# KiCad board HPM62_63_144_ADC_EVK_RevB.kicad_pcb (continued)
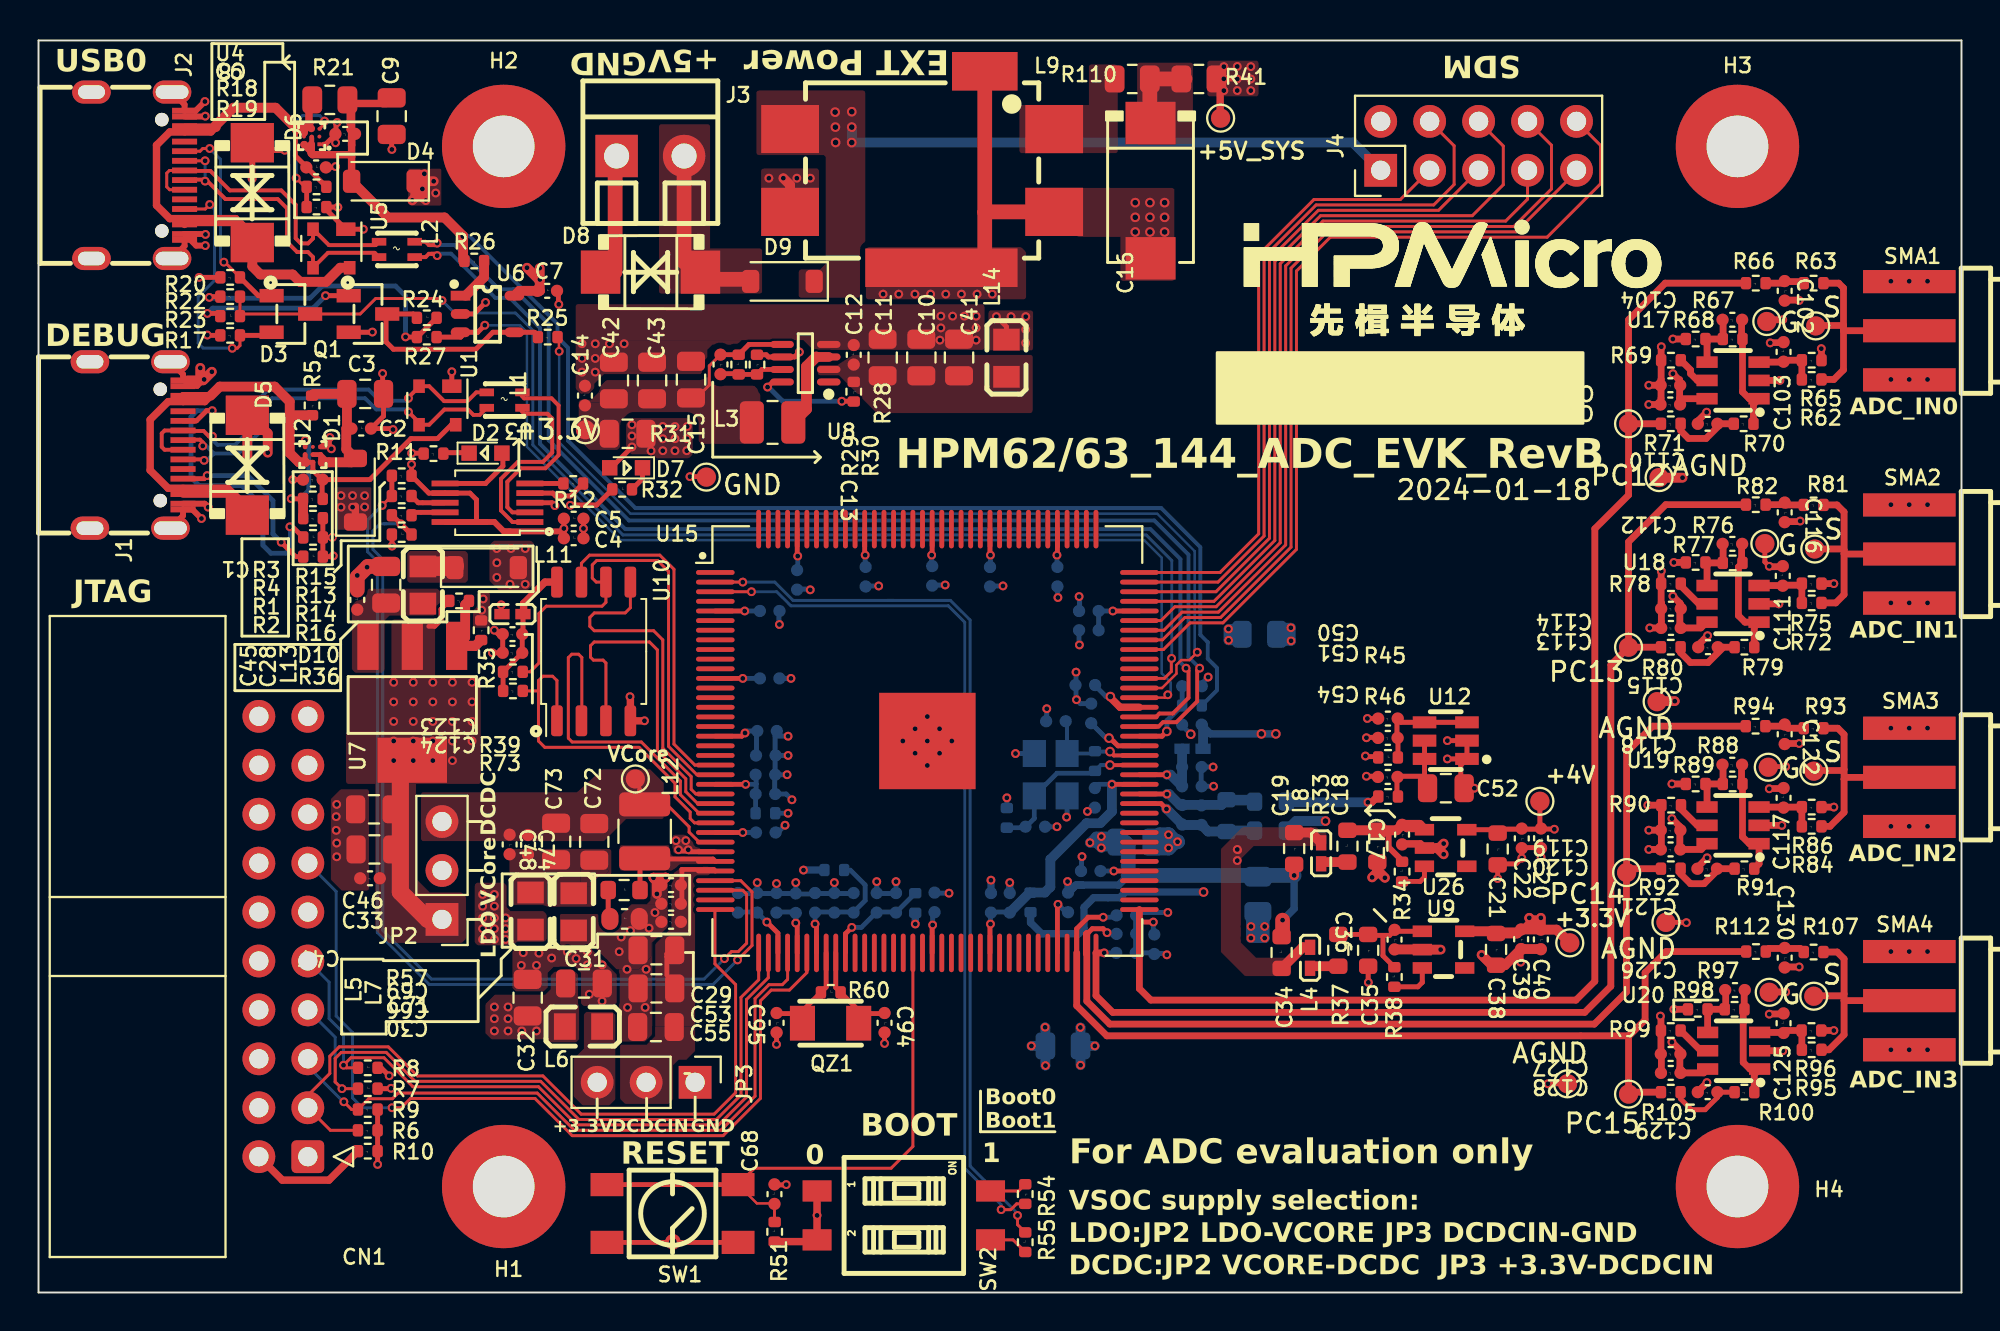
[diagram p0: board, top side]
## Routing (per net, layer and track width the routed paths; a pad name or vN(x,y) marks a point on that pad's centre or on a via; arc(x,y) is an arc through that point) (continued)
VBAT: length 5.5
  Top w0.25: v1(42.19,18.95) 41.86,18.62 U15.46
  Bottom w0.25: v1(42.19,18.95) 42.69,18.95 43.48,19.75 44.48,19.75 ; 44.5,19.75 R50.2
VBUS: length 77.6
  Top w0.254: U4.A2 14.17,59.97
  Top w0.381: 16.17,61.73 16.17,60.37 16.39,60.15 16.24,60 16.24,59.56 ; 16.17,61.73 16.24,61.66 16.24,59.56 ; 16.17,61.73 18.03,61.73 C9.1 ; 14.15,59.14 14.15,59.23 13.79,59.59 13.77,59.59 ; 14.15,59.14 14.22,59.07 16.13,59.07 16.24,58.96 ; 14.15,59.14 14.15,59.61 ; D4.2 16.24,58.96 ; 16.24,58.96 16.24,59.56
  Top w0.508: D4.2 18.12,55.81 21.06,55.81 v2(22.03,54.84) 22.03,53.55
  Bottom w0.203: R83.1 61.14,31.26 61.14,32.42 60.66,32.9 60.66,33.75 60.27,34.14 60.27,38.69 58.24,40.72 30.97,40.72 27.47,44.22 27.47,49.05 26.92,49.59 26.92,50.28 22.36,54.84 v2(22.03,54.84)
VDD_OTPCAP_2V5: length 3.6
  Top w0.25: v1(37.78,19.23) 38.36,18.66 U15.39
  Bottom w0.25: v1(37.78,19.23) 37.28,19.73 37.28,19.75 36.28,19.75
VDD_PMCCAP_1V1: length 3.1
  Top w0.25: v1(39.28,19.18) 39.36,19.11 U15.41
  Bottom w0.25: v1(39.28,19.18) 39.28,19.73 39.27,19.75 38.28,19.75
/ADC_Signal_IN/ADC_IN0: length 73.6
  Top w0.25: 57.11,19.23 v1(57.83,19.23)
  Top w0.349: TP15.1 82.49,41.4 80.74,39.65 80.74,16.16 79.76,15.18 57.71,15.18 57.11,15.78 U15.73 ; R71.2 82.59,45.1 82.49,45 82.49,50.5 84.39,52.4 R66.2
  Bottom w0.25: 57.89,18.56 57.83,18.61 v1(57.83,19.23)
/ADC_Signal_IN/ADC_IN1: length 62.9
  Top w0.349: R80.2 TP19.1 ; TP19.1 82.49,38.97 84.42,40.9 R82.2 ; TP19.1 81.57,32.58 81.57,15.9 80.22,14.54 55.73,14.54 54.86,15.41 U15.72 v1(55.28,17.63)
  Bottom w0.254: 55.93,17.63 v1(55.28,17.63)
/ADC_Signal_IN/ADC_IN2: length 57.6
  Top w0.254: v1(55.43,18.68) 55.23,18.88 54.67,18.88 54.36,18.58 U15.71
  Top w0.349: R94.2 83.74,29.4 82.39,28.05 TP23.1 ; TP23.1 82.59,22 R92.2 ; TP23.1 82.38,21.79 82.38,15.6 80.72,13.93 55.58,13.93 54.38,15.13 54.38,18.63 54.36,18.61 54.36,17.58
  Bottom w0.254: v1(55.43,18.68) 55.5,18.62 55.95,18.62
/ADC_Signal_IN/ADC_IN3: length 49.7
  Top w0.254: v1(55.23,19.48) 54.46,19.48 53.86,18.88 U15.70
  Top w0.349: R112.2 84.44,17.7 83.35,16.61 83.35,14.15 82.49,13.3 ; R105.2 82.59,10.4 TP30.1 82.49,13.3 ; 82.49,13.3 82.46,13.32 55.42,13.32 53.86,14.89 U15.70
  Bottom w0.254: 55.95,19.58 55.86,19.48 v1(55.23,19.48)
/ADC_Signal_IN/IN0: length 11.8
  Top w0.349: R63.1 93.39,52.4 93.64,52.15 93.64,50.2 ; R62.1 93.14,47.4 93.64,47.9 93.64,49.95 ; 95.06,49.93 95.04,49.95 ; 93.64,50.2 93.64,49.95 ; 93.64,50.2 91.99,50.2 ; 93.64,49.95 93.66,49.93 SMA1.5
/ADC_Signal_IN/IN1: length 12
  Top w0.349: R72.1 93.24,35.8 93.67,36.23 93.67,38.35 ; R81.1 93.3,40.89 93.67,40.52 93.67,38.55 ; 93.67,38.55 93.67,38.35 ; 93.67,38.55 93.62,38.6 91.99,38.6 ; 93.67,38.35 93.68,38.34 SMA2.5 ; 95.04,38.34 95.04,38.34
/ADC_Signal_IN/IN2: length 11.8
  Top w0.349: 93.67,26.65 93.76,26.74 SMA3.5 ; 93.67,26.65 93.67,27.15 ; 93.67,26.65 93.67,24.93 92.94,24.2 R84.1 ; 93.67,27.15 93.67,28.97 93.35,29.29 R93.1 ; 93.67,27.15 93.62,27.1 91.99,27.1
/ADC_Signal_IN/IN3: length 11.8
  Top w0.349: 95.05,15.15 95.04,15.14 ; 93.67,15.15 93.67,13.38 92.89,12.6 R95.1 ; 93.67,15.15 SMA4.5 ; 93.67,15.15 93.67,15.5 ; 93.67,15.5 93.57,15.4 91.99,15.4 ; 93.67,15.5 93.67,17.32 93.32,17.67 R107.1
/DEBUG/DN1: length 22.2
  Top w0.2: v1(9.02,44.45) 8.84,44.45 8.56,44.72 8.02,44.72 7.99,44.75 6.54,44.75 6.39,44.6 6.39,43.9 6.54,43.75 7.49,43.75 ; L1.1 22.71,46.73 22.25,46.28 21.04,46.28 20.27,47.05 U1.2 19.74,47.02 19.19,46.47 v1(19.19,46.42)
  Bottom w0.2: v1(9.02,44.45) 9.02,44.27 9.28,44.01 10.19,44.01 11.22,45.04 11.22,46.17 11.93,46.88 17.12,46.88 17.7,46.3 19.06,46.3 v1(19.19,46.42)
/DEBUG/DP1: length 21
  Top w0.2: 7.49,44.25 7.99,44.25 8.02,44.28 8.38,44.28 8.52,44.13 v1(8.52,43.95) ; 7.49,43.25 8.54,43.25 v1(8.59,43.2) ; v1(19.19,45.72) 19.74,45.17 U1.3 20.27,45.05 21.06,45.84 22.28,45.84 22.56,45.56 22.88,45.56 L1.4
  Bottom w0.2: 9.1,43.56 8.7,43.95 v1(8.52,43.95) ; 9.1,43.56 8.74,43.2 v1(8.59,43.2) ; 9.1,43.56 10.37,43.56 11.67,44.86 11.67,45.99 12.11,46.42 16.94,46.42 17.52,45.84 19.06,45.84 v1(19.19,45.72)
/DEBUG/PY0_JTAG_TDO: length 45.4
  Top w0.152: v1(18.34,9.59) 18.81,9.59 19.3,10.07 25.76,10.07 27.69,8.14 35.51,8.14 37.45,10.08 37.45,15.14 38.01,15.7 38.95,15.7 39.86,16.61 U15.42
  Bottom w0.152: CN1.13 15.44,20.82 15.44,14.35 16.29,13.5 16.29,10.1 16.8,9.59 v1(18.34,9.59)
/DEBUG/PY1_JTAG_TDI: length 34.9
  Top w0.152: U15.40 38.86,16.25 38.58,15.98 37.89,15.98 37.17,15.26 37.17,10.19 35.4,8.42 27.8,8.42 25.87,10.35 18.65,10.35 18.36,10.06 17.13,10.06 R9.2 16.24,9.5 v1(15.84,9.9)
  Bottom w0.152: CN1.5 13.97,11.74 15.81,9.9 v1(15.84,9.9)
/DEBUG/PY2_JTAG_TCK: length 38
  Top w0.152: U15.38 37.86,16.34 36.73,15.21 36.73,10.14 35.28,8.7 27.92,8.7 25.94,10.68 19.42,10.68 17.92,12.19 16.21,12.19 v1(15.82,11.8) 15.96,11.66 R8.1
  Bottom w0.152: CN1.9 15.07,16.11 15.07,14.22 15.82,13.47 v1(15.82,11.8)
/DEBUG/PY3_JTAG_TMS: length 38.3
  Top w0.152: U15.37 37.36,16.24 36.44,15.32 36.44,10.25 35.17,8.98 28.03,8.98 26.05,10.96 19.54,10.96 18.04,12.47 15.71,12.47 15.39,12.15 15.39,10.93 v1(15.74,10.58) R7.1
  Bottom w0.152: v1(15.74,10.58) 15.39,10.93 15.39,13.25 CN1.7
/DEBUG/PY4_JTAG_TRST: length 39.4
  Top w0.152: U15.36 35.09,19.86 35.09,17.06 36.16,15.99 36.16,10.37 35.05,9.26 28.15,9.26 26.17,11.24 19.65,11.24 18.15,12.75 15.59,12.75 15.11,12.27 15.11,11.37 13.97,10.23 CN1.3 15.14,8.42 R6.2
/DEBUG/PY6_URT0.TXD: length 50.7
  Top w0.152: U15.34 36.53,20.88 36.73,20.68 36.73,18.13 36.3,17.7 35.95,17.7 v1(35.58,17.33)
  Top w0.254: 18.7,40 v1(18.8,39.91) R16.2 18.35,40.35 R14.2
  Bottom w0.127: 18.04,39.91 v1(18.8,39.91)
  Bottom w0.152: 17.93,39.91 v1(18.8,39.91) ; 17.93,39.91 17.72,39.91 17.35,39.54 17.35,38.57 17.86,38.06 17.86,18.8 20.38,16.27 34.53,16.27 v1(35.58,17.33) ; 17.93,39.91 18.04,39.91
/DEBUG/PY7_URT0.RXD: length 52.1
  Top w0.152: U15.33 36.43,21.38 37.01,20.8 37.01,18.01 v1(36.26,17.26) ; 18.33,41.11 R15.2 ; v1(17.83,40.86) 18.32,41.35 R13.2
  Top w0.254: R15.2 R13.2
  Bottom w0.152: v1(36.26,17.26) 34.99,15.99 20.27,15.99 17.58,18.68 17.58,37.95 17.07,38.46 17.07,40.1 v1(17.83,40.86)
/DEBUG/USB2UART_N: length 10.5
  Top w0.203: U3.2 24.59,40.5 24.32,40.77 24.32,42.09 25.02,42.79 26.3,42.79 26.98,43.47 26.98,46.05 26.61,46.42 25.19,46.42 25.07,46.55
/DEBUG/USB2UART_P: length 10.1
  Top w0.203: 25.07,45.75 25.2,45.62 26.4,45.62 26.65,45.37 26.65,43.61 26.16,43.12 24.87,43.12 23.99,42.24 23.99,40.6 24.59,40 U3.1
/HPM6200-IO2/CA_CS0: length 18.7
  Top w0.152: 25.93,31.23 25.93,31.77 26.16,31.99 26.67,31.99 26.89,31.77 U10.1 ; 25.93,31.23 R73.1 ; 25.93,31.23 25.93,28.63 26.26,28.3 31.16,28.3 33.02,26.44 33.02,25.73 33.81,24.94 33.81,24.6 34.03,24.38 U15.27
/HPM6200-IO2/CA_D0: length 17.9
  Top w0.152: U15.24 34.1,25.88 33.86,26.13 33.86,26.78 32.38,28.26 32.38,33.88 31.91,34.36 28.83,34.36 28.6,34.58 28.6,35.05 28.83,35.28 30.43,35.28 30.7,35.55 U10.5
/HPM6200-IO2/CA_D1: length 18
  Top w0.152: U10.2 28.18,29.7 28.18,32.97 28.02,33.14 27.66,33.14 27.48,32.96 27.48,28.78 27.68,28.58 31.27,28.58 33.3,26.55 33.3,25.85 34.27,24.88 U15.26
/HPM6200-IO2/CA_D2: length 18
  Top w0.152: U15.25 34.2,25.38 33.58,26 33.58,26.67 32.11,28.14 32.11,33.36 31.69,33.77 28.83,33.77 28.63,33.58 28.63,32.98 28.78,32.83 29.28,32.83 29.43,32.68 29.43,29.68 U10.3
/HPM6200-IO2/CA_D3: length 17.9
  Top w0.152: U15.21 34.05,27.38 32.96,28.47 32.96,37.55 32.23,38.28 28.58,38.28 28.16,37.86 U10.7
/HPM6200-IO2/CA_SCLK: length 26.2
  Top w0.152: R39.1 25.5,32.22 25.96,32.68 25.96,35.25 26.34,35.63 29.23,35.63 29.43,35.83 29.43,36.88 U10.6 28.93,36.88 28.73,37.09 28.73,37.77 28.96,38 32.11,38 32.68,37.43 32.68,28.35 34.16,26.88 U15.22
/HPM6200-IO4/PA20: length 46.2
  Top w0.152: v1(49.94,4.3) 50.44,4.3 50.74,4.6 R54.2 ; v1(36.98,36.38) U15.3
  Bottom w0.152: v1(49.94,4.3) 49.94,4.56 48.05,6.45 48.05,34.79 47.19,35.65 39.03,35.65 38.3,36.38 v1(36.98,36.38)
/HPM6200-IO4/PA21: length 47.4
  Top w0.152: R55.2 50.79,3.52 v1(50.79,4) ; U15.2 v1(36.53,36.88)
  Bottom w0.152: v1(50.79,4) 50.79,4.1 48.33,6.56 48.33,34.91 47.31,35.93 44.04,35.93 ; 44.04,35.93 44.34,35.93 44.26,35.93 ; 44.04,35.93 39.15,35.93 38.2,36.88 v1(36.53,36.88)
/HPM6200-IO4/PB22: length 32.2
  Top w0.152: J4.3 70.65,56.74 66.16,56.74 63.3,53.88 63.3,39.39 61.29,37.38 U15.108
/HPM6200-IO4/PB23: length 37.2
  Top w0.152: U15.107 61.19,36.88 63.58,39.27 63.58,53.76 66.28,56.46 72.38,56.46 73.44,57.52 73.44,59.53 J4.4
/HPM6200-IO4/PB24: length 35.2
  Top w0.152: J4.5 72.63,56.18 66.4,56.18 63.86,53.64 63.86,39.16 61.08,36.38 U15.106
/HPM6200-IO4/PB25: length 40.1
  Top w0.152: U15.105 60.98,35.88 64.14,39.04 64.14,53.53 66.51,55.9 74.38,55.9 75.99,57.51 75.99,59.52 J4.6
/HPM6200-IO4/PB26: length 39.2
  Top w0.152: U15.103 58.23,34.88 58.95,35.6 61.1,35.6 64.42,38.92 64.42,53.41 66.63,55.62 76.11,55.62 77.25,56.76 J4.7
/HPM6200-IO4/PB27: length 43.4
  Top w0.152: J4.8 78.49,59.56 78.49,57.29 76.54,55.34 66.75,55.34 64.7,53.3 64.7,38.81 61.21,35.32 59.32,35.32 58.38,34.38 U15.102
/HPM6200-IO4/PB28: length 41.3
  Top w0.152: U15.101 58.31,33.88 59.47,35.04 61.33,35.04 64.98,38.69 64.98,53.18 66.86,55.06 76.66,55.06 79.79,58.19 J4.9
/HPM6200-IO4/PB29: length 46.2
  Top w0.152: U15.100 58.36,33.38 59.74,34.76 61.44,34.76 65.26,38.58 65.26,53.03 67.01,54.78 78.26,54.78 81.04,57.56 81.04,59.55 J4.10
/HPM6200-IO4/USB0_ID: length 66.4
  Top w0.152: R22.1 R23.2 10.56,50.8 16.69,50.8 17.49,51.6 20.83,51.6 v1(20.93,51.5) ; v1(58.78,32.92) 58.77,32.91 58.77,32.24 58.41,31.88 U15.97
  Bottom w0.152: v1(58.78,32.92) 58.79,32.93 58.79,38 57.47,39.33 30.32,39.33 25.64,44 25.64,49.95 24.74,50.85 21.58,50.85 v1(20.93,51.5)
/HPM6200-IO4/USB0_OC: length 55.3
  Top w0.127: U15.95 58.43,30.88 v1(58.58,31.03)
  Top w0.254: v1(23.15,50.22) 22.78,49.85 22.15,49.85 21.9,49.6 R27.2
  Bottom w0.127: v1(23.15,50.22) 23.16,50.21 24.98,50.21 25.34,49.85 25.34,43.9 30.18,39.06 57.35,39.06 58.27,38.14 58.27,32.14 58.73,31.67 58.73,31.18 v1(58.58,31.03)
/HPM6200-IO4/USB0_PWR: length 50.1
  Top w0.127: v1(27.01,48.86) 27,48.87 27,49.6 ; v1(60.12,33.24) 59.71,32.83 59.29,32.83 59.03,32.58 59.03,32.13 58.28,31.38 U15.96
  Bottom w0.127: v1(27.01,48.86) 27.01,44.13 30.71,40.43 58.03,40.43 59.98,38.49 59.98,33.38 v1(60.12,33.24)
/HPM6200-OSC-USB/USB0_DN: length 60.6
  Top w0.2: 20.68,53.8 20.55,53.92 20.4,53.92 ; 20.4,53.92 20.68,53.92 ; 20.4,53.92 20.25,53.92 20.08,53.75 19.52,53.75 ; v1(59.53,32.41) 59.66,32.28 59.66,30.87 58.84,30.06 58.15,30.06 57.97,29.88 U15.93
  Bottom w0.2: v1(59.53,32.41) 59.24,32.7 59.24,38.08 57.68,39.63 30.44,39.63 26.02,44.06 26.02,50.08 24.45,51.64 23.7,51.64 21.4,53.93 20.78,53.93 v1(20.68,53.83)
/HPM6200-OSC-USB/USB0_DP: length 62.1
  Top w0.2: U15.92 58.11,29.38 58.34,29.61 59.03,29.61 60.11,30.69 60.11,32.28 v1(60.24,32.41) ; 20.51,54.38 20.68,54.38 ; 20.51,54.38 20.25,54.38 20.08,54.55 19.52,54.55 ; 20.51,54.38 20.6,54.38 20.68,54.45
  Bottom w0.2: v1(60.24,32.41) 59.66,32.99 59.66,38.31 57.89,40.08 30.63,40.08 26.46,44.24 26.46,50.28 24.65,52.09 23.88,52.09 21.59,54.38 20.78,54.38 v1(20.68,54.48)
/HPM6200-POWER/VANA: length 7.5
  Top w0.254: U15.87 v1(58.53,26.88)
  Bottom w0.25: 59.33,28.28 59.33,27.31 59.36,27.28 59.36,26.28 58.75,26.88 v1(58.53,26.88)
  Bottom w0.508: L10.2 59.33,27.28 C76.1 C77.1 58.73,26.88 v1(58.53,26.88)
/HPM6200-POWER/VCore1: length 5.5
  Top w0.152: U15.29 34.27,23.38 33.75,23.9 33.75,24.18 32.59,25.34 31.45,25.34
  Top w0.25: 31.18,26.13 31.18,25.6 31.45,25.34
/HPM6200-VPMC-VBAT/BUTTON_RESET_N: length 30
  Top w0.127: SW1.3 37.27,4.62 38.18,4.62
  Top w0.152: R51.2 38.18,3.67 38.18,4.62 ; U15.53 45.36,7.58 44.23,6.45 37.14,6.45 SW1.3
  Top w0.25: SW1.4 SW1.3
/Power/DCDC_3.3V: length 6.5
  Top w0.152: C13.1 34.8,48.11 34.8,47.11 34.13,46.44 C15.1
  Top w0.25: R29.2 36.32,48.69 C13.1
  Top w0.254: U8.5 36.86,49.22 R29.2
/Power/SW: length 4.5
  Top w0.508: U8.3 40.34,48.57
  Top w0.559: 40.34,48.57 39.84,48.07 39.84,45.86 L3.2
/USB/DN: length 15.9
  Top w0.152: J2.B7 8.64,58.75 v1(8.64,58.75)
  Top w0.2: 17.66,53.75 17.44,53.98 15.02,53.98 U5.3 14.24,53.75 13.98,54.01 13.42,54.01 12.89,54.54 12.89,56.28 12.41,56.77 9.69,56.77 8.68,57.77 8.1,57.77 8.08,57.75 J2.A7
  Bottom w0.152: v1(8.64,57.7) v1(8.64,58.75)
/USB/DP: length 16.4
  Top w0.152: J2.A6 6.79,58.25 6.65,58.11 6.65,57.4 6.8,57.25 J2.B6
  Top w0.2: 17.66,54.55 17.49,54.38 15.06,54.38 U5.2 14.24,54.72 13.98,54.46 13.61,54.46 13.34,54.73 13.34,56.47 12.59,57.22 9.92,57.22 8.91,58.23 8.1,58.23 8.08,58.25 J2.A6
/USB/VUSB_IN: length 36.2
  Top w0.254: R18.1 13.33,59 13.33,60.37 13.37,60.41
  Top w0.381: 13.75,60.18 13.77,60.2 U4.C3 14.06,60.7 ; J2.A9 7.68,55.55 10.43,55.55 11.09,54.89 10.23,55.75 J2.B4 6.81,55.75 6.12,56.44 6.12,59.56 6.81,60.25 J2.B9 8.94,60.25 9.19,60.5 7.63,60.5 ; 14.35,61.73 14.03,61.41 14.03,60.73 14.06,60.7 ; 14.06,60.7 14.06,60.52 14.15,60.43
  Top w0.508: U5.4 15.65,53.2 14.92,52.47 13.56,52.47 13.18,52.85 11.51,52.85 11.09,53.27 11.09,54.89 ; U4.C3 13.37,60.41 13.37,60.43 12.29,61.51 10.11,61.51 9.19,60.59 9.19,60.5
/VCore: length 12.9
  Top w0.25: R36.2 20.88,35.48 20.88,34.91 20.55,34.58 20.24,34.58
  Top w0.762: 19.55,28.39 19.3,28.15
  Top w0.889: 20.85,19.37 20.19,19.37 18.77,20.79 18.77,27.61 19.55,28.39
  vias: v1(18.42,31.68) v1(18.42,30.66) v1(18.42,29.65) v1(18.42,28.63) v1(18.42,27.61) v1(19.44,31.68) v1(19.44,30.66) v1(19.44,29.65) v1(19.44,28.63) v1(19.44,27.61) v1(20.46,31.68) v1(20.46,30.66) v1(20.46,29.65) v1(20.46,28.63) v1(20.46,27.61) v1(21.47,31.68) v1(21.47,30.66) v1(21.47,29.65) v1(21.47,28.63) v1(21.47,27.61) v1(22.49,31.68) v1(22.49,30.66) v1(22.49,29.65) v1(22.49,28.63)
DCDC_GND0: length 10.9
  Top w0.25: 33.2,22.9 33.22,22.92 33.7,22.92 33.73,22.88 U15.30
  Top w0.254: 26.8,22.44 26.72,22.52 26.59,22.52
  Top w0.508: v1(31.9,21.53) 32.28,21.15 C69.2 32.31,21.32 32.52,21.53 ; v1(31.9,21.53) 31.91,21.53 32.52,21.53 ; v1(31.9,21.53) 32.08,21.35 v1(32.08,20.69) ; 32.52,21.53 32.55,21.53 ; 31.23,14.17 31.24,14.16
  In2.Cu w0.762: v1(31.47,14.8) 33.48,14.8 34.06,14.21 JP3.1
  vias: v1(30.12,17.69) v1(30.23,18.45) v1(30.53,16.78) v1(30.56,14.8) v1(30.71,18.78) v1(31.52,16.78) v1(31.67,18.91) v1(31.98,19.72) v1(32.55,21.56) v1(33.07,23.46) v1(33.2,22.98) v1(33.58,23.46) v1(33.71,22.98)
VCore: length 39.9
  Top w0.25: v1(46.33,38.28) 46.36,38.31 U15.126 ; U15.28 v1(36.53,23.88) ; v1(36.65,29.05) 36.48,28.88 U15.18 ; v1(52.83,38.28) 52.86,38.31 U15.113 ; U15.77 v1(55.78,21.88) ; v1(52.89,20.15) 52.86,20.12 U15.68 ; v1(39.38,38.23) 39.36,38.25 U15.140 ; v1(55.73,35.38) U15.104 ; U15.5 v1(36.63,35.38)
  Top w0.254: v1(46.38,19.08) 46.36,19.06 U15.55 ; U15.90 56,28.38 55.79,28.58 55.79,28.58 55.59,28.78 v2(55.53,28.78)
  In2.Cu w0.381: 52.83,37.18 52.78,37.13
  In2.Cu w0.635: 54.33,21.88 54.33,21.88 v1(55.78,21.88) ; v1(52.89,20.15) 52.9,20.15 52.93,20.18 ; v1(36.53,23.88) 37.78,23.88 37.8,23.89 ; v1(46.33,38.28) 46.33,37.4 ; v2(55.53,28.78) 54.33,28.78 ; 37.82,35.37 37.81,35.38 v1(36.63,35.38) ; v1(46.38,19.08) 46.38,20.41 ; v1(55.73,35.38) 54.56,35.38 ; v1(39.38,38.23) 39.38,37.12 ; v1(52.83,38.28) 52.83,37.18
  In2.Cu w0.762: 36.55,25.29 36.53,25.27 v1(36.53,23.88)
  Bottom w0.25: v1(39.38,38.23) 39.38,37.51 39.35,37.48 ; v1(55.78,21.88) 55.07,21.88 ; 37.25,27.88 37.25,29.11 C81.1 36.75,29.15 v1(36.65,29.05) ; v1(36.53,23.88) 37.25,23.88 ; v1(52.89,20.15) 53.27,19.77 53.41,19.77 ; v1(36.63,35.38) 37.45,35.38 ; v1(46.33,38.28) 46.33,37.71 ; v1(52.83,38.28) 52.83,37.66 ; C80.1 v1(55.73,35.38)
  Bottom w0.254: v1(46.38,19.08) 46.38,19.67 46.48,19.77 ; C83.1 55.38,28.78 v2(55.53,28.78) ; C91.1 C80.1
VREFH: length 4.9
  Top w0.381: v1(68.96,25.45) 69.17,25.45 69.47,25.75
  Bottom w0.508: v1(68.96,25.45) 64.77,25.45 R58.2
Net-(C16-Pad1): length 4.1
  Top w0.762: 59.48,63 R110.2 57.65,60.75 C16.1
Net-(C71-Pad1): length 1.5
  Top w0.254: R57.1 29.55,19.48
  Top w0.508: 29.55,19.48 C71.1
Net-(C101-Pad1): length 15.2
  Top w0.25: v1(49.39,19.13) 49.36,19.11 U15.61 ; U15.86 v1(55.68,26.38)
  Bottom w0.25: 50.39,19.74 50.39,19.75 49.41,19.75 49.39,19.72 v1(49.39,19.13) ; C70.1 54.99,26.38 v1(55.68,26.38)
  Bottom w0.508: C101.1 51.42,20.76 R52.1 52.2,20.76 52.49,21.05 52.49,22.49 54.37,24.37 55.08,24.37 55.68,24.97 v1(55.68,26.38)
Net-(C102-Pad1): length 2
  Top w0.349: R63.2 91.5,52.48 90.59,52.48 90.51,52.4 R66.1
Net-(C110-Pad1): length 3.6
  Top w0.349: R71.1 85.19,44.75 85.6,44.34 86.51,44.34 87.28,45.1 R70.2
Net-(C115-Pad1): length 3.6
  Top w0.349: R80.1 85.19,33.21 85.7,32.7 86.61,32.7 87.41,33.5 R79.2
Net-(C116-Pad1): length 2.1
  Top w0.349: R82.1 90.51,40.9 90.59,40.98 90.68,40.89 R81.2
Net-(C121-Pad1): length 3.6
  Top w0.349: R92.1 85.19,21.73 85.7,21.22 86.41,21.22 87.19,22 R91.2
Net-(C122-Pad1): length 2.1
  Top w0.349: R94.1 90.53,29.4 90.59,29.46 90.76,29.29 R93.2
Net-(C129-Pad1): length 3.9
  Top w0.254: R100.2 C129.1 87.1,10.12 86.46,9.49 85.75,9.49 85.19,10.05 R105.1
Net-(C130-Pad1): length 2.1
  Top w0.349: R107.2 91.39,17.86 89.77,17.86 R112.1
Net-(CN1-Pad2): length 6.3
  Top w0.381: CN1.2 12.65,5.83 15.06,5.83 R10.2
Net-(D1-A): length 8.6
  Top w0.254: U2.A2 15.03,43.1 15.07,43.1 ; U2.A2 U2.A3 ; U2.A2 U2.B2
  Top w0.508: R5.1 14.28,46.65 C3.1 16,44.88 15.96,44.85 15.96,43.78 D1.2 16.24,43.1 14.74,43.1
Net-(D2-A): length 4.1
  Top w0.254: 24.09,43.6 24.09,42.9 23.19,42 U3.6
Net-(D2-K): length 1.1
  Top w0.254: 22.09,43.6 21.05,43.6 R11.1
Net-(D7-K): length 1.3
  Top w0.254: R32.2 31.33,42.24 D7.1
Net-(D9-A): length 9.4
  Top w0.762: J3.2 33.49,53.51 34.4,52.6 36.83,52.6 D9.2
Net-(D10-K): length 1.5
  Top w0.762: 20.09,37.71 20.07,37.73
  Top w1.016: 21.57,37.71 20.09,37.71
Net-(J1-CC1): length 16.2
  Top w0.25: 7.49,45.25 8.19,45.25 8.72,45.78 v1(9.01,45.78) ; v1(13.04,39.75) 13.18,39.75 R1.1
  Bottom w0.25: v1(13.04,39.75) 13.07,39.72 13.07,38.62 12.83,38.38 12.05,38.38 11.64,38.79 11.64,40.8 10.55,41.89 8.33,41.89 7.91,42.31 7.91,45.46 8.23,45.78 v1(9.01,45.78)
Net-(J1-CC2): length 9.1
  Top w0.25: v1(12.59,38.95) 13.34,38.2 R2.1 ; v1(8.75,42.41) 8.59,42.25 7.49,42.25
  Bottom w0.25: v1(8.75,42.41) 10.86,42.41 12.16,41.11 12.16,39.38 v1(12.59,38.95)
Net-(J2-CC1): length 10.8
  Top w0.152: v1(9.61,53.49) 9.66,53.49 R20.1 ; v1(8.88,59.39) 8.52,59.39 8.38,59.25 J2.A5
  Top w0.254: 12.15,51.75 11.4,51.75 R20.1
  Bottom w0.152: v1(8.88,59.39) 9.44,58.83 9.44,53.64 9.59,53.49 v1(9.61,53.49)
Net-(J2-CC2): length 13.7
  Top w0.152: J2.B5 8.65,56.25 v1(8.88,56.48) ; R17.1 10.45,49.16 10.31,49.02 v1(10.05,49.02)
  Top w0.254: R17.1 11.99,49.69 12.15,49.85
  Bottom w0.152: v1(10.05,49.02) 10.04,49.03 8.54,49.03 8.28,49.29 8.28,51.69 9.13,52.54 9.13,56.23 v1(8.88,56.48)
Net-(JP3-C): length 5.2
  Top w0.25: 32.8,17.78 32.59,17.58 32.59,17.43 ; 32.59,16.48 32.59,17.43 ; 32.59,17.43 32.77,17.61 ; U15.32 35.03,21.96 33.38,21.96 33.38,20.23 C66.1
Net-(L4-Pad2): length 1.5
  Top w0.508: L4.2 66.07,16.94 R37.1
Net-(L8-Pad2): length 1.4
  Top w0.508: L8.2 66.63,22.34 R33.1
Net-(L9-CB): length 0.5
  Top w0.762: L9.2 53.23,60.4
Net-(Q1-D): length 11.7
  Top w0.254: R24.1 19.43,50.8 18.03,50.8 18.03,49.35 18.41,48.97 22.69,48.97 23.57,49.85 25.73,49.85 25.98,49.6
Net-(Q1-G): length 8.5
  Top w0.254: R23.1 9.29,50.83 v1(8.76,50.83) ; 16.15,51.75 v1(14.89,51.75)
  Bottom w0.254: v1(14.89,51.75) 14.24,51.1 9.03,51.1 v1(8.76,50.83)
Net-(QZ1-OSC1): length 5.7
  Top w0.25: 43.89,14.48 43.05,14.48 QZ1.1 42.55,14.64 R60.2 41.36,15.83 U15.45
Net-(QZ1-OSC2): length 5.7
  Top w0.25: U15.44 40.86,15.85 R60.1 39.63,14.62 QZ1.2 39.13,14.48 38.29,14.48
Net-(SW2-PIN3): length 2.1
  Top w0.152: SW2.3 50.56,2.73 R55.1
Net-(SW2-PIN4): length 1.9
  Top w0.152: R54.1 50.84,5.27 SW2.4
Net-(U2-OVLO): length 5.8
  Top w0.25: v1(13.11,41.21) 13.12,41.2 R3.2 ; U2.C1 13.83,44.24 v1(13.84,44.25)
  Top w0.508: R3.2 13.72,40.21 R4.2
  Bottom w0.25: v1(13.11,41.21) 13.58,41.21 14.02,41.65 14.02,44.12 13.84,44.3
Net-(U3-RXD): length 1.8
  Top w0.254: U3.9 19.5,40.5 R14.1
Net-(U3-TXD): length 1.9
  Top w0.254: R13.1 19.7,41 U3.8
Net-(U3-~{CTS}): length 1.7
  Top w0.254: U3.5 R12.2
Net-(U3-~{RTS}): length 3.1
  Top w0.254: R12.1 27.6,41.35 26.83,41.35 26.68,41.5 U3.4
Net-(U4-OVLO): length 6.9
  Top w0.152: R18.2 13.82,57.4 v1(13.37,57.85) ; 14.62,60.41 14.62,60.46 14.84,60.68 v1(14.84,60.81)
  Top w0.254: R18.2 R19.2
  Bottom w0.152: v1(14.84,60.81) 14.84,60.85 14.59,61.1 13.69,61.1 13.37,60.78 13.37,57.85 v1(13.37,57.85)
Net-(U6-OUT): length 2.2
  Top w0.508: 22.15,51.75 23.12,52.71 R26.1
Net-(U7-ADJ(GND)): length 4.9
  Top w0.508: U7.1 22.6,33.57 22.61,33.57 ; U7.1 22.66,33.57 R35.2 ; U7.1 22.13,34.01 22.13,35.71 R36.1
Net-(U8-EN): length 5.7
  Top w0.254: U8.8 38.08,47.27 v1(37.82,47) ; 42.36,46.27 v1(41.67,46.27)
  Bottom w0.254: v1(37.82,47) 37.87,47 38.61,46.27 v1(41.67,46.27)
Net-(U8-FB): length 3.3
  Top w0.25: U8.7 37.53,47.92 R30.2 R29.1 36.29,47.7 35.38,47.7
Net-(U9-EN): length 2.3
  Top w0.254: U9.3 71.79,16.1 71.56,15.87 R38.1
Net-(U9-IN): length 6.4
  Top w0.254: 69.79,18.54 69.75,18.5 69.75,17.48 R38.2 ; U9.1 70.4,18.75 70.35,18.8 70.09,18.54 68.98,18.54 68.93,18.59 R37.2
Net-(U10-VCC): length 7.1
  Top w0.25: 25.01,34.1 25.1,34.02 C124.1 24.1,32.22 R39.2 24.1,31.23 R73.2
  Top w0.254: C123.1 25.13,34.21 25.13,35.37
  Top w0.381: 25.16,35.38 25.16,35.77 26.27,36.88 U10.8
Net-(U12-ENABLE): length 5.7
  Top w0.254: 70.53,27.82 70.53,28.77 70.47,28.82 70.48,28.83 70.48,29.8 70.67,29.6 U12.4 U12.3
Net-(U12-OUT_F): length 4.3
  Top w0.254: U12.5 U12.6 71.91,26.8 70.48,26.8 70.48,25.76 70.49,25.75
Net-(U15A-DCDC_LP): length 5.5
  Top w0.25: L12.2 31.48,22.5 34.99,22.5 U15.31
  Top w0.254: R57.2 31.2,22.3
  Top w0.508: 31.2,22.3 L12.2
Net-(U15A-VREFH): length 12.9
  Top w0.25: U15.85 58.54,25.88 v1(58.54,25.88)
  Bottom w0.25: 59.33,25.31 59.33,25.28 60.31,25.28 ; v1(58.54,25.88) 58.57,25.9
  Bottom w0.305: 58.57,25.85 59.11,25.31 59.33,25.31
  Bottom w0.381: 59.79,25.31 61.36,25.31 C86.1 ; 59.79,25.31 C79.1 ; 59.79,25.31 60.36,25.31 ; R58.1 61.73,25.48
  Bottom w0.508: R58.1 62.98,25.58 C86.1 ; 61.73,25.48 C86.1 ; C86.1 61.37,25.31 59.21,25.31 58.65,25.88 v1(58.54,25.88)
Net-(U15A-VREFL): length 11.7
  Top w0.25: U15.84 58.24,25.38 v1(58.52,25.1)
  Bottom w0.25: 58.51,25.11 58.54,25.11 59.33,24.32 60.31,24.32 60.65,23.98
  Bottom w0.254: 60.65,23.98 R61.1
  Bottom w0.508: R61.1 61.68,23.98 C86.2 60.68,23.93 C82.2 59.36,24.27 C79.2 58.51,25.11 58.51,25.11 v1(58.52,25.1)
Net-(U15C-VPMC): length 6.9
  Top w0.25: U15.43 40.36,19.06 v1(40.28,19.13)
  Bottom w0.25: v1(40.28,19.13) 40.28,19.75 42.28,19.75 42.88,20.35 42.88,21.16 42.11,21.93
Net-(U15F-VIO_00): length 4.1
  Top w0.25: U15.23 v1(36.68,26.38)
  Bottom w0.25: 37.23,26.38 37.23,25.88 37.2,25.85 R64.1 ; 37.23,26.38 v1(36.68,26.38) ; 37.23,26.38 37.23,26.88
Net-(U15G-USBVBUS): length 4.2
  Top w0.254: v2(58.53,29.13) 58.28,28.88 U15.91
  Bottom w0.254: C44.1 59.33,30.48 R83.2 58.53,29.68 v2(58.53,29.13)
Net-(U15G-XTALI): length 8.9
  Top w0.203: U15.88 v2(55.58,27.38)
  Bottom w0.203: R59.2 55.11,27.38 v2(55.58,27.38)
  Bottom w0.25: R104.1 51.18,24.13 51.66,24.61 Y1.3 52.83,26.95 54.68,26.95 R59.2
Net-(U15G-XTALO): length 5.6
  Top w0.203: v2(55.58,28.08) 55.78,27.88 U15.89
  Bottom w0.203: C93.1 53.36,29.59 Y1.1 54.69,27.98 R59.1 54.83,28.08 v2(55.58,28.08)
Net-(U17-+IN): length 3.3
  Top w0.349: R62.2 R65.2 90.58,48.4 90.48,48.3 U17.3
Net-(U17--IN): length 3.1
  Top w0.349: U17.4 86.56,49.42 R68.1 R67.2 87.39,49.51 87.39,50.5
Net-(U17-MODE): length 1.9
  Top w0.349: U17.5 86.06,47.35 85.71,47.7 85.71,47.89 R69.1
Net-(U17-OUT): length 6.2
  Top w0.349: R70.1 88.97,46.11 U17.1 88.76,46.4 88.4,46.76 R67.1 88.35,49.55 88.35,50.5
Net-(U18-+IN): length 3.3
  Top w0.349: U18.3 90.47,36.7 90.49,36.72 91.4,36.72 R75.2 R72.2
Net-(U18--IN): length 3.1
  Top w0.349: 87.4,38.86 87.4,37.89 R76.2 86.5,37.88 R77.1 86.56,37.82 U18.4
Net-(U18-MODE): length 1.9
  Top w0.349: R78.1 85.2,36.69 86.14,35.75 U18.5
Net-(U18-OUT): length 6.4
  Top w0.349: 88.36,38.86 88.36,37.92 R76.1 88.19,37.66 88.19,35.14 88.53,34.8 U18.1 89.01,34.55 R79.1
Net-(U19-+IN): length 3.2
  Top w0.349: R84.2 R86.2 U19.3
Net-(U19--IN): length 3.1
  Top w0.349: U19.4 86.56,26.32 R89.1 R88.2 87.39,26.41 87.39,27.4
Net-(U19-MODE): length 1.9
  Top w0.349: R90.1 85.21,25.1 86.06,24.25 U19.5
Net-(U19-OUT): length 6.2
  Top w0.349: 88.35,27.4 88.35,26.45 R88.1 88.4,23.66 88.76,23.3 U19.1 89.26,22.25 R91.1
Net-(U20-+IN): length 3.2
  Top w0.349: U20.3 90.53,13.5 90.63,13.6 R96.2 91.48,13.59 R95.2
Net-(U20--IN): length 3.1
  Top w0.349: 87.53,15.7 87.53,14.75 R97.2 R98.1 U20.4
Net-(U20-MODE): length 1.8
  Top w0.349: R99.1 86.24,12.55 U20.5
Net-(U20-OUT): length 6.1
  Top w0.349: 88.49,15.7 88.49,14.71 R97.1 88.44,14.64 88.44,11.95 88.79,11.6 U20.1 89.01,11.32 R100.1
Net-(U26-EN): length 1.8
  Top w0.254: R34.1 71.68,21.34 71.9,21.56 U26.3
Net-(U26-IN): length 11.1
  Top w0.254: U26.1 70.96,24.03 70.74,24.25 70.43,23.94 69.45,23.94 ; 69.45,23.94 69.4,24 R33.2 ; 69.45,23.94 C18.1 ; 69.45,23.94 69.5,23.99
  Top w0.305: C18.1 70.04,24 70.04,23.12 70.74,22.42 R34.2
  Top w0.508: R33.2 C18.1 70.46,24 C17.1 71.65,24.28 U26.1

## Copper pours and planes (outline as drawn; the poured copper is in the pictures)
5V_SYS on Top: 49.29,48.91 49.29,50.98 51.6,50.98 51.6,48.91
5V_SYS on Top: 60.64,63.95 63.29,63.95 63.29,62.1 60.64,62.1
5V_SYS on Top: 66.81,23.17 66.81,23.92 66.58,24.15 62.46,24.15 61.34,23.03 61.34,17.67 62.59,16.42 64.96,16.42 64.96,17.22 64.81,17.38 63.17,17.38 62.38,18.16 62.38,22.52 63.04,23.17
5V_SYS on In2.Cu: 45.09,46.05 51.89,46.05 51.89,57.35 64.59,57.35 64.59,64.45 45.04,64.45 45.04,46.1
+3.3VADC on In2.Cu: 67.69,29.5 67.69,23.3 68.14,22.85 78.44,22.85 78.44,18.05 78.14,17.75 60.74,17.75 59.89,18.6 59.89,21.28 60.21,21.6 62.61,21.6 62.94,21.92 62.94,29.5
+3V3 on Top: 26.29,15.46 26.57,15.74 26.57,16.45 26.77,16.65 27.84,16.65 28.04,16.45 28.04,13.15 27.89,12.99 26.47,12.99 26.31,13.15 23.49,13.15 23.19,13.45 23.19,14.97 23.67,15.46
+3V3 on Top: 25.45,36.46 25.7,36.72 25.7,38.88 25.55,39.03 23.62,39.03 23.39,38.8 23.39,36.95 23.88,36.46
+3V3 on Top: 30.48,45.09 30.79,45.39 33.73,45.39 33.94,45.19 33.94,43.51 33.73,43.31 30.96,43.31 30.48,43.79
+3V3 on In2.Cu: 38.79,22.8 39.09,23.1 39.09,24.14 38.64,24.59 38.64,25.3 38.79,25.45 39.71,25.45 40.28,24.88 40.28,18.47 39.84,18.03 36.28,18.03 35.45,18.86 35.45,22.52 35.73,22.8
+3V3 on In2.Cu: 18.49,51.4 18.02,50.93 18.02,40.29 17.29,39.56 12.73,39.56 11.94,40.35 11.94,53.25 11.96,53.28 1.35,53.28 1.35,0.6 41.83,0.6 41.83,13.07 43.1,14.34 56.59,14.34 59.23,16.98 59.23,43.38 57.58,45.02 44.3,45.02 43.76,45.56 43.76,51.4
+4V_OPA on In2.Cu: 85.79,49.3 85.79,8.75 77.44,8.75 77.29,8.9 77.29,16 77.34,16.05 78.99,16.05 78.99,23.2 77.29,23.2 77.29,49.3
+4V_OPA on In2.Cu: 77.69,25.08 70.5,25.08 69.95,25.63 69.95,28.26 67.98,28.26 67.98,23.65 68.4,23.21 77.69,23.21
+5V on Top: 15.34,41.8 17.26,41.8 17.26,39.6 15.34,39.6
+5V on Top: 20.9,58.34 20.9,56.48 20.85,56.43 19.29,56.43 19.18,56.54 19.18,58.34
+5V on Top: 42.89,62.4 42.89,51.64 39.44,51.64 39.44,53.11 40.54,53.11 40.84,53.41 40.84,58.95 40.74,59.05 37.24,59.05 37.24,62.4
+5V on In2.Cu: 17.09,51.54 17.87,52.21 43.84,52.21 43.84,63.16 40.1,63.16 40.1,55.45 20.99,55.45 20.95,55.49 20.95,58.51 15.13,58.51 12.84,56.22 12.84,40.31 17.09,40.31
GND on Top: 24.62,18.02 24.82,18.2 26.19,18.2 26.37,18.31 26.37,19.62 26.19,19.8 22.76,19.8 22.63,19.67 22.63,18.18 22.78,18.02
GND on Top: 37.49,58.35 40.49,58.35 40.49,56.45 37.49,56.45
GND on Top: 42.93,51.56 51.23,51.56 51.23,54.01 50.98,54.27 43.03,54.27 42.93,54.19
GND on Top: 22.63,21.17 22.73,21.27 24.13,21.27 24.28,21.12 24.28,19.52 24.23,19.47 22.63,19.47
GND on Top: 17.14,26.13 17.14,20.87 15.72,20.87 15.16,21.43 15.16,25.62 15.67,26.13
GND on Top: 29.44,49.44 39.67,49.44 40.18,48.93 49.07,48.93 49.07,51.31 29.44,51.31
GND on Top: 53.85,57.34 58.93,57.34 58.93,52.52 56.13,52.52 56.13,54.8 53.85,54.8
GND on Top: 27.87,51.31 27.87,46.92 28.17,46.61 28.69,46.61 28.83,46.75 28.83,47.17 29.34,47.68 34.49,47.68 34.7,47.88 34.7,48.95 34.95,49.2 36.43,49.2 36.71,49.48 36.71,51.31
GND on Top: 22.48,35.47 22.73,35.73 22.73,36.26 22.83,36.36 23.34,36.36 23.42,36.29 23.42,34.61 23.32,34.51 22.61,34.51 22.48,34.63
GND on Top: 26.42,16.6 26.72,16.91 27.84,16.91 28.14,16.6 28.14,15 28.27,14.87 29.82,14.87 30,15.05 30,16.51 28.51,18 24.87,18 24.59,17.72 24.59,15.81 24.77,15.64 26.21,15.64 26.42,15.84
GND on In1.Cu: 71.04,64.4 40.84,64.4 40.84,50.65 40.79,50.6 27.9,50.6 27.9,43.75 16.34,43.75 16.34,37.2 0.49,37.2 0.49,0.2 52.63,0.2 52.63,20.33 54.23,21.89 57.21,21.89 57.21,28.22 61.91,32.89 61.94,55.37 71.04,55.37
GND on In1.Cu: 0.39,37.6 15.94,37.6 15.94,44.15 27.55,44.15 27.55,50.95 40.49,50.95 40.49,64.4 0.44,64.4 0.44,37.55
GNDA on In1.Cu: 63.07,32.66 63.07,53.63 99.77,53.63 99.77,0.32 53.59,0.32 53.59,20.02 54.7,21.13 58.26,21.13 58.26,27.85
/HPM6200-POWER/VCore1 on Top: 19.58,25.97 27.94,25.97 29.25,27.17 31.72,27.17 32.44,26.46 32.44,24.58 30.48,24.58 29.34,23.43 19.58,23.43
/Power/DCDC_3.3V on Top: 30.25,45.11 30.69,45.55 33.9,45.55 34.13,45.31 34.13,44.31 34.39,44.05 37.31,44.05 37.44,44.18 37.44,46.76 37.14,47.07 35.21,47.07 34.76,47.52 29.31,47.52 28.9,47.12 28.9,46.35 28.11,46.35 28.02,46.26 28.02,44.3 28.58,43.74 30.25,43.74
/VCore on Top: 17.48,18.84 18.16,18.15 21.97,18.15 22.17,18.35 22.17,20.54 21.95,20.77 20.29,20.77 19.58,21.48 19.58,26.94 19.23,27.29 17.88,27.29 17.48,26.89
/VCore on Top: 18.31,34.94 20.57,34.94 20.57,31.94 22.94,31.94 22.94,26.4 15.95,26.41 15.95,31.94 18.31,31.94
/VCore on Bottom: 18.17,26.6 26.3,26.6 26.3,35.23 18.17,35.23
DCDC_GND0 on Top: 27.05,18.04 28.73,18.04 29.98,16.78 31.14,16.78 31.79,17.43 31.79,18.13 32.64,18.98 32.64,19.87 32.36,20.16 30.76,20.16 30.25,19.65 27.05,19.65
DCDC_GND0 on Top: 28.12,21.1 28.12,22.62 28.85,22.62 29.59,21.88 28.8,21.1
DCDC_GND0 on Top: 31.74,21.63 32.64,21.63 32.64,18.98 31.84,18.18 31.84,13.4 31.47,13.02 30.1,13.02 30.1,18.69 31.74,20.35
DCDC_GND0 on Top: 34.38,23.03 34.34,23.03 33.6,23.76 32.88,23.76 32.88,22.76 34.38,22.76
DCDC_GND0 on Top: 24.43,23.03 29.72,23.03 29.72,21.66 28.78,21.66 28.78,20.03 24.43,20.03
DCDC_GND0 on In1.Cu: 33.73,26.18 34.06,25.85 34.06,14.77 33.63,14.34 30.35,14.34 29.72,14.97 29.72,25.74 30.15,26.18
VCore on In2.Cu: 37.38,37.73 54.98,37.73 54.98,19.88 37.38,19.88
VCore on In2.Cu: 35.09,29.43 37.95,32.28 37.95,29.45 37.92,29.43
VCore on In2.Cu: 24.18,20.72 28.17,24.7 40.69,24.7 40.69,29.78 25.6,29.78 19.96,24.14 19.96,21.22 20.47,20.72
VCore on In2.Cu: 37.8,25.06 37.97,24.88 37.97,23.89 37.82,23.74 36.47,23.74 36.4,23.81 36.4,24.96 36.5,25.06
Net-(C16-Pad1) on Top: 56.99,59.6 59.89,59.6 59.89,63.85 56.99,63.85
Net-(D9-A) on Top: 32.19,60.65 32.19,51.86 37.54,51.86 37.54,54.2 34.84,54.2 34.84,60.65
Net-(D10-K) on Top: 22.15,38.5 22.28,38.37 22.28,36.97 22.15,36.84 19.23,36.84 19.13,36.95 19.13,38.37 19.25,38.5
Net-(JP3-B) on Top: 28.3,12.66 27.76,12.13 27.76,10.17 28.22,9.72 29.62,9.72 29.92,10.02 29.92,14.42 29.77,14.57 28.42,14.57 28.3,14.44
Net-(JP3-C) on Top: 32.84,21.78 33.38,22.13 34.84,22.13 34.84,21.65 34.14,21.65 34.06,21.58 34.06,13.02 31.98,13.02 31.98,18.08 32.84,18.93
Net-(JP3-C) on Top: 30.18,12.87 31.55,12.87 31.99,13.3 31.99,13.81 34.04,13.81 34.06,13.78 34.06,12.54 33.6,12.08 33.2,12.08 32.92,11.8 32.92,10.02 32.69,9.79 30.43,9.79 30.18,10.05
Net-(L9-CB) on Top: 50.89,59.15 55.99,59.15 55.99,63.75 54.49,63.75 54.49,61.65 50.89,61.65
Net-(U7-VIN) on Top: 17.96,34.89 18.21,35.14 20.7,35.14 20.88,35.32 20.88,36.36 20.7,36.54 17.12,36.54 16.26,35.68 16.26,32.35 16.43,32.17 17.81,32.17 17.96,32.32
Net-(U8-VIN) on Top: 40.42,48.14 41.44,48.14 42.26,48.68 51.57,48.68 51.57,45.66 43.48,45.66 41.52,47.62 40.42,47.62
Net-(U15A-DCDC_LP) on Top: 33.23,22.16 34.48,22.16 34.48,23.21 30.15,23.21 30.15,21.9 32.85,21.9

Small or netless copper shapes (teardrops, artwork), in the pictures only: 2 on Top

## Text on the board
B.Silkscreen: VREF | GND | TCK | NC | TDO | TMS | TDI | TRST | +5V | CLK0 | DAT0 | CLK1 | DAT1 | CLK2 | DAT2 | CLK3 | DAT3 | P | b
F.Silkscreen: 2024-01-18 | +3.3V | DCDCIN | GND | DCDC | VCore | LDO | Boot0 | Boot1 | ADC_IN2 | ADC_IN0 | ADC_IN1 | ADC_IN3 | 0 | 1 | VSOC supply selection: / LDO:JP2 LDO-VCORE JP3 DCDCIN-GND / DCDC:JP2 VCORE-DCDC  JP3 +3.3V-DCDCIN | DEBUG | USB0 | JTAG | RESET | BOOT | SDM | +5V | EXT Power | For ADC evaluation only | HPM62/63_144_ADC_EVK_RevB
